# Allegro board FRDM-A-S32K356_PCBLayout.brd (continued)
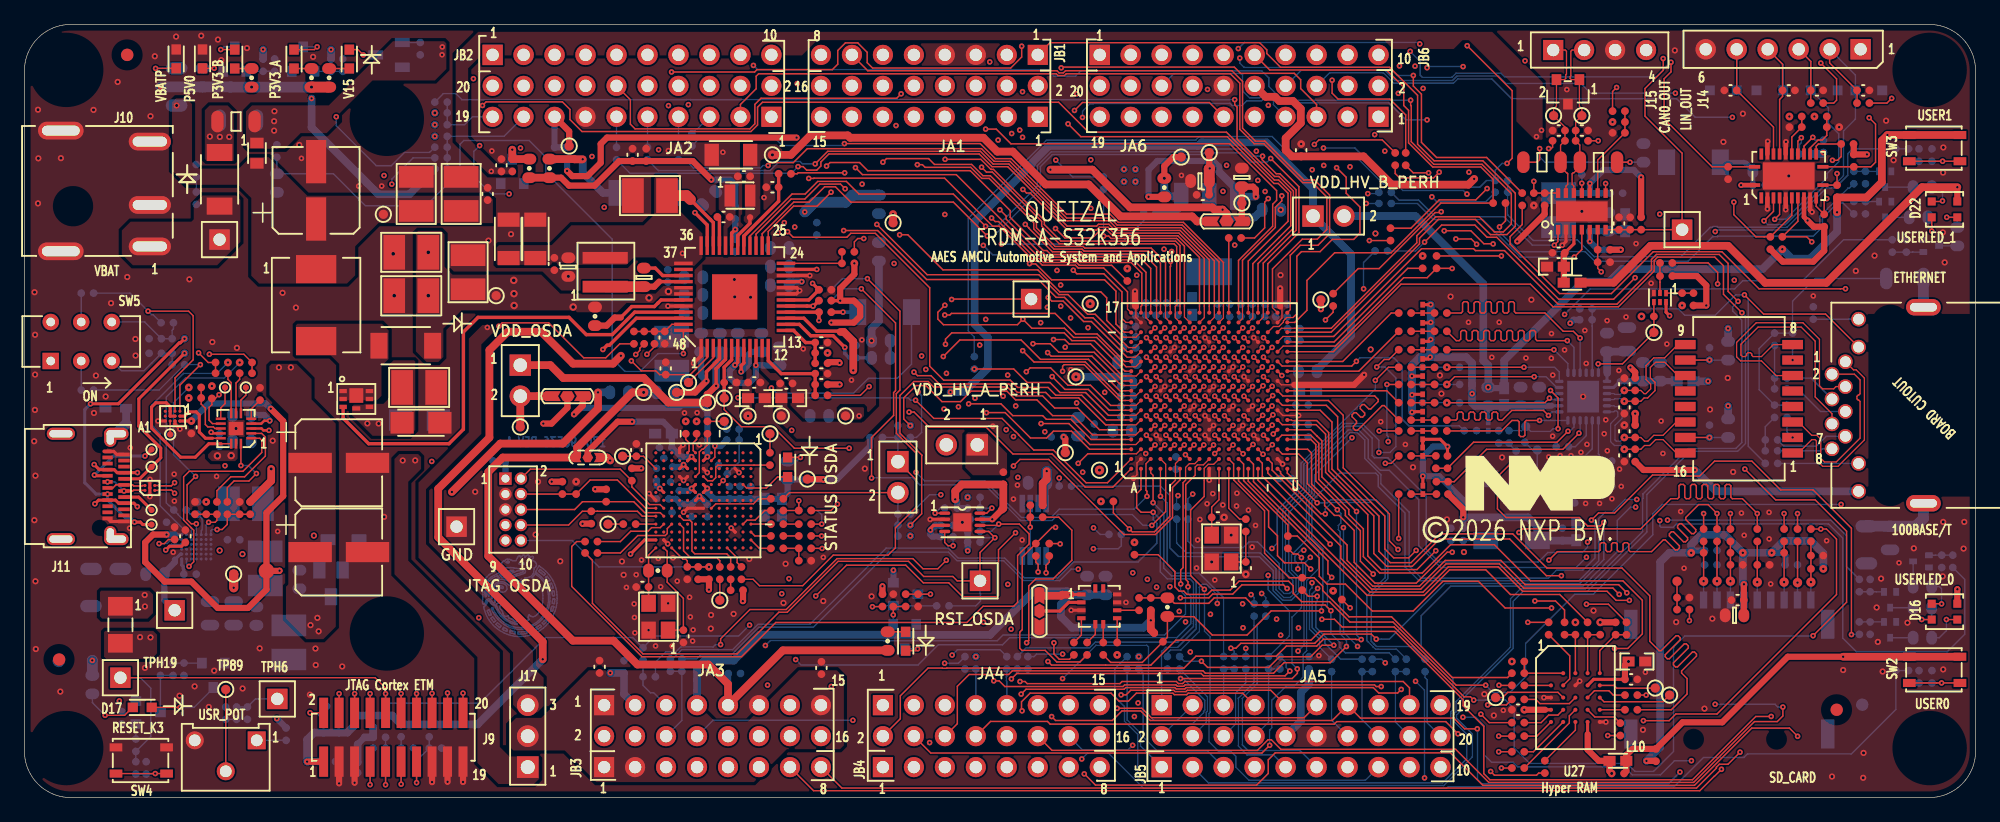
[diagram p0: board, top side]
## Routing (per net, layer and track width the routed paths; a pad name or vN(x,y) marks a point on that pad's centre or on a via; arc(x,y) is an arc through that point) (continued)
  L4_INT_2 w0.127: v1(104.47,13.93) 101.39,10.84 91.61,10.84 89.18,13.28 82.18,13.28 81.35,12.45 78.78,12.45 77.65,13.58 64.24,13.58 61.58,10.93 50.54,10.93 48.1,13.38 38.25,13.38 v1(33.43,8.55)
  BOTTOM w0.118: v1(104.91,20.29) 104.68,20.29 104.17,19.79 104.17,19.42 104.42,19.17 v1(104.42,18.76)
ETM_TRACE_D2: length 102
  TOP w0.118: J9.18 v1(34.7,8.58)
  TOP w0.127: U2.M8 v1(99.2,32.93)
  L3_INT_1 w0.102: 101.21,26.04 99.52,27.73 99.52,28.59 99.81,28.88 99.81,29.18 99.53,29.46 99.53,30.36 99.53,30.37 99.53,30.69 99.54,30.7 99.54,32.33 99.2,32.67 v1(99.2,32.93)
  L3_INT_1 w0.127: v1(105.44,19.71) 105.74,20 105.74,20.42 104.64,21.51 104.64,22.6 101.21,26.04
  L4_INT_2 w0.127: v1(34.7,8.58) 34.99,8.88 39.02,12.9 47.9,12.9 50.23,10.57 63.66,10.57 66.39,13.3 77.61,13.3 80.44,10.47 102.89,10.47 v1(104.43,12.02)
  BOTTOM w0.118: v1(105.44,19.71) 105.06,19.32 105.06,18.07 104.92,17.94 104.92,12.51 104.73,12.31 v1(104.43,12.02)
ETM_TRACE_D3: length 262.9
  TOP w0.118: J9.20 v1(35.97,8.57)
  TOP w0.127: U2.L9 v1(99.11,33.73)
  L3_INT_1 w0.102: 104.13,36.22 102.23,36.22 101.76,35.75 101.28,35.75 100.45,34.91 99.83,34.91 99.56,34.64 99.56,34.13 99.16,33.73 v1(99.11,33.73)
  L3_INT_1 w0.127: 104.13,36.22 106.87,36.22 113.97,43.32 113.97,56.07 114.26,56.37 114.26,57.15 115.23,58.12 115.23,59.2 115.02,59.42 v1(115.02,59.87) ; v1(114.81,1.62) 115.52,0.91 145.07,0.91 145.1,0.94 145.4,0.94 145.43,0.97 145.47,0.97 150.72,6.22 150.72,23.25 147.26,26.71 147.26,38.75 154.25,45.74 154.25,55.38 150.27,59.36 129.14,59.36 129.07,59.29 121.73,59.29 121.11,59.91 118.43,59.91 118.39,59.96 v1(117.97,59.96)
  L4_INT_2 w0.127: v1(35.97,8.57) 39.84,12.44 47.71,12.44 49.91,10.24 63.8,10.24 66.52,12.96 77.47,12.96 80.3,10.13 100.89,10.13 101.48,9.54 v1(114.07,9.54)
  BOTTOM w0.118: v1(115.02,59.87) 115.11,59.96 v1(117.97,59.96) ; v1(114.07,9.54) 114.81,8.8 v1(114.81,1.62)
EXTAL: length 5.7
  TOP w0.118: U2.K1 97.96,24.43 97.35,23.83 C66.1 Y1.3
FRS_EN: length 17.7
  TOP w0.118: v1(13.5,18.97) 13.89,19.35 13.89,21.93 13.68,22.14 13.68,22.14 13.06,22.76 13.06,26.31 13.52,26.77 17.92,26.77 19.46,28.31 19.46,29.31 19.3,29.48 U4.1
  BOTTOM w0.118: v1(13.5,18.97) 13.3,19.17 U3.B6
FS26_AMUX: length 27.1
  TOP w0.118: v1(67.26,51.25) 63.45,51.25 63.36,51.17 R21.1
  L4_INT_2 w0.127: v1(84.57,52.29) 84.54,52.26 77.58,52.26 75.98,50.67 69.54,50.67 69.31,50.91 67.6,50.91 v1(67.26,51.25)
  BOTTOM w0.118: R48.2 85.96,50.91 v1(84.57,52.29)
FS26_FCCU1: length 3.6
  TOP w0.279: R26.2 64.7,40.32 v1(64.67,40.32) 64.17,40.32 64.17,40.32 U1.17
  BOTTOM w0.254: R26.2 64.7,40.32 v1(64.67,40.32)
FS26_FCCU2: length 4.5
  TOP w0.254: v1(64.63,42.18) R29.2
  TOP w0.279: U1.18 64.32,40.82 R29.2
  BOTTOM w0.254: v1(64.63,42.18) R29.2
FS26_FS0B: length 4.5
  TOP w0.279: R27.2 R37.2 C27.1 64.06,37.33 63.07,38.32 U1.13
FS26_FS1B: length 7.1
  TOP w0.279: U1.12 60.99,35.84 62.06,34.78 C28.1 R28.2 R38.2
FS26_GPIO1: length 3.7
  TOP w0.118: U1.3 56.49,36.08 TP9.1
FS26_INTB: length 5.5
  TOP w0.118: R39.2 R23.2 U1.24
FS26_VBOS: length 3.1
  TOP w0.279: U1.35 55.99,46.97 v1(54.98,47.98)
FS26_VCORE: length 51.1
  TOP w0.279: U1.15 63.92,39.32 64.97,38.27 66.86,38.27 66.93,38.2 ; 59.49,47.58 59.49,47.1 58.49,46.1 U1.30
  TOP w0.508: 59.51,52.65 C25.1 ; 59.51,50.96 C26.1 ; 59.51,47.6 59.49,47.58
  TOP w0.635: v1(67.97,35.04) 67.97,37.42 67.18,38.2 66.93,38.2 ; SJ4.2 96.16,47.26 95.75,47.68 89.88,47.68 87.27,50.29 83.74,50.29 81.05,52.99 79.77,52.99 78.64,54.12 67.71,54.12 67.52,54.32 64.45,54.32 62.85,52.72 v3(61.34,52.72)
FS26_VDDIO: length 14
  TOP w0.279: R26.1 66.89,40.77 v1(66.89,40.76) ; U1.23 v1(64.97,43.32)
  TOP w0.508: R28.1 v1(66.85,33.89) ; v2(68.05,43.82) 68.05,42.93 66.89,41.77 v1(66.89,40.76) 68.02,40.76 68.53,40.25 68.53,39.47 68.02,38.97 v1(66.17,38.97) ; R27.1 65.95,35.71 66.79,35.71 v1(66.85,35.66)
FS26_VDEBUG: length 20.6
  TOP w0.508: v1(56.33,50.69) 54.8,52.21 R44.1 C40.1 48.78,52.21 46.76,50.2 44.66,50.2 44.01,50.85 R43.2
  TOP w0.635: R42.2 R43.2
  BOTTOM w0.508: R17.1 58.29,50.27 57.88,50.69 v1(56.33,50.69)
FS26_VLDO1: length 6.8
  BOTTOM w0.635: R530.2 70.07,39.09 69.47,38.49 v3(69.47,37.48)
FS26_VLDO2:
  vias: v2(59.34,31.31)
FS26_VMONEXT_0V8: length 8.5
  TOP w0.279: U1.14 63.54,38.82 64.48,37.89 66.31,37.89 v1(67.27,36.93)
  BOTTOM w0.279: v1(67.27,36.93) 67.27,36.43 67.64,36.07 R33.1 R32.2
FS26_VPRE: length 17.3
  TOP w0.279: v1(58.26,35.48) 58.49,35.71 U1.7 ; v1(59.98,35.46) 59.99,35.47 U1.10 ; 54.62,49.06 56.27,47.41 56.27,47.4 56.49,47.17 U1.34
  TOP w0.889: C22.1 54.29,49.38 54.62,49.06
  BOTTOM w0.508: C32.1 60.6,35.45 60.59,35.46 v1(59.98,35.46) 59.98,34.56 59.44,34.02 58.27,34.02 57.83,34.45 57.83,35.05 v1(58.26,35.48) 58.49,35.71 C29.1
  vias: v1(53.96,44.64)
FS26_VREF: length 4.8
  TOP w0.279: U1.8 58.99,35.65 58.77,35.43 v1(58.77,34.93)
  BOTTOM w0.508: C37.1 59.63,36.57 59.39,36.33 59.39,35.74 59.37,35.71 59.37,35.53 v1(58.77,34.93)
FS26_VTRK1: length 38.4
  TOP w0.203: U4.12 15.41,29.88 v1(15.31,29.97)
  TOP w0.279: v1(55.93,34.17) 55.93,34.93 56.76,35.76 56.76,35.77 56.99,36 U1.4
  TOP w0.508: v1(55.93,34.17) 55,33.24 TP120.1
  L3_INT_1 w0.508: v1(63.99,48.04) 64.64,47.38 64.64,44.58 62.96,42.9 62.96,41.33 63.09,41.2 63.09,36.07 63.62,35.55 63.62,30.82 v1(62.92,30.12)
  BOTTOM w0.508: C30.1 55.5,34.59 v1(55.93,34.17) 55,33.24 R528.2
  BOTTOM w0.889: v1(63.99,48.04) 64.78,48.83 67.33,48.83 67.91,49.42 R806.1
  vias: v1(16.45,27.22)
FS26_VTRK2: length 26.1
  TOP w0.203: U4.3 19.45,30.28 19.6,30.12 v1(20.06,30.12)
  TOP w0.279: U1.5 57.49,35.95 56.72,35.18 v1(56.72,33.78)
  TOP w0.508: 56.01,33.06 v1(56.72,33.78)
  TOP w0.635: 56.01,33.06 TP121.1 52.8,32.4 50.79,34.42 44.18,34.42 43.13,35.47 JP11.1
  BOTTOM w0.635: v1(56.72,33.78) 56.72,35.55 57.02,35.86 C31.1
  vias: v1(33.4,27.58) v2(13.48,32.78) v2(15.37,33.76)
FS26_WAKE1_IN: length 4.3
  TOP w0.118: R4.2 R6.2 R803.2 C186.1 53.09,38.82 U1.47
GMAC0_MII_RMII_RX_DV_RGMII_RXCTL: length 1.9
  TOP w0.118: R270.1 R184.2 R190.2
ILIM_5V_VBUS: length 2.3
  TOP w0.118: U4.6 17.75,32.61 18.16,33.01 TP22.1
JTAG_TCLK/SWD_CLK: length 100.8
  TOP w0.118: R105.2 65.37,21.46 v1(65.37,21.46) ; J9.4 v1(25.81,8.53)
  TOP w0.127: U2.F7 v1(95.11,32.13)
  L3_INT_1 w0.102: v1(95.11,32.13) 95.58,31.66 95.58,29.35 95.49,29.26 95.49,28.77 95.26,28.55 95.04,28.55 94.63,28.14 94.59,28.14 94.5,28.04 94.5,26.04
  L3_INT_1 w0.127: 94.5,26.04 94.5,25.49 94.08,25.07 94.08,23.27 93.02,22.21 93.02,17.45 v1(92.83,17.26)
  L4_INT_2 w0.127: v1(25.81,8.53) 25.42,8.91 25.42,16.41 26.64,17.62 45.45,17.62 49.3,21.46 v1(65.37,21.46) 70.87,21.46 72.22,20.11 75.45,20.11 76.43,19.14 78.08,19.14 78.41,18.81 81.62,18.81 82.61,17.81 89.97,17.81 90.53,17.25 92.82,17.25 v1(92.83,17.26)
  BOTTOM w0.118: v1(25.81,8.53) R360.1 25.81,6.88 25.78,6.85 R346.2
JTAG_TDI: length 113.6
  TOP w0.118: J9.8 v1(28.35,8.53) ; R108.2 66.14,23.55 v1(66.67,24.08)
  TOP w0.127: U2.F8 v1(94.4,32.93)
  L3_INT_1 w0.102: v1(94.4,32.93) 93.89,32.41 93.89,31.51 93.93,31.46 93.93,31.19 93.89,31.14 93.89,29.91 93.93,29.86 93.93,29.59 93.89,29.55 93.89,28.68 92.86,27.66 92.77,27.66 91.64,26.54 91.64,26.04
  L3_INT_1 w0.127: 91.64,26.04 91.64,25.98 91.26,25.59 91.26,21.44 91.58,21.11 91.58,19.14 v1(90.88,18.44)
  L4_INT_2 w0.127: v1(90.88,18.44) 89.91,19.41 89.91,19.42 89.79,19.55 78.81,19.55 77.1,21.26 73.95,21.26 73.41,21.8 73.41,22.62 72.82,23.22 70,23.22 69.14,24.08 v1(66.67,24.08) 65.9,23.31 55.08,23.31 54.27,24.12 50,24.12 44.45,18.57 24.82,18.57 22.09,15.84 22.09,7.53 23.7,5.92 25.74,5.92 v1(28.35,8.53)
  BOTTOM w0.118: v1(28.35,8.53) 28.35,7.77 R348.2
JTAG_TDO: length 101.2
  TOP w0.118: v1(65.41,20.44) 65.4,20.45 R109.2 ; J9.6 v1(27.08,8.53)
  TOP w0.127: U2.G8 v1(95.2,32.93)
  L3_INT_1 w0.102: 95.36,26.04 95.36,27.19 96.33,28.16 96.33,29.58 96.33,29.59 96.33,31.46 96.33,31.47 96.33,32.31 96.03,32.6 95.53,32.6 v1(95.2,32.93)
  L3_INT_1 w0.127: 95.36,26.04 95.39,26.01 95.39,26.01 95.39,26 95.39,23.61 93.92,22.14 93.92,19.47 93.87,19.42 93.87,17.77 93.93,17.72 v1(93.93,17.3)
  L4_INT_2 w0.127: v1(93.93,17.3) 93.47,16.85 90.13,16.85 89.59,17.39 84.97,17.39 83.97,16.39 77.32,16.39 73.98,19.73 71.43,19.73 70.72,20.44 v1(65.41,20.44) 65.26,20.29 51.67,20.29 50.9,21.06 49.54,21.06 45.73,17.25 28.44,17.25 26.17,14.98 26.17,11.62 27.08,10.71 v1(27.08,8.53)
  BOTTOM w0.118: v1(27.08,8.53) R347.2
JTAG_TMS/SWD_DIO: length 103.5
  TOP w0.118: J9.2 23.42,6.95 v1(23.42,6.96) ; v1(65.38,22.44) 65.38,22.43 R106.2
  TOP w0.127: U2.F6 v1(94.4,31.33)
  L3_INT_1 w0.102: v1(94.4,31.33) 94.4,31.05 94.78,30.67 94.78,29.14 94.69,29.05 94.69,28.77 94.47,28.55 94.35,28.55 94.02,28.21 94.02,26.04
  L3_INT_1 w0.127: v1(92.08,17.91) 92.08,22.45 92.31,22.68 92.31,22.68 93.61,23.98 93.61,25.48 94.02,25.89 94.02,26.04
  L4_INT_2 w0.127: v1(92.08,17.91) 90.67,17.91 89.44,19.14 78.66,19.14 78.35,19.45 76.61,19.45 75.51,20.54 72.61,20.54 70.71,22.44 v1(65.38,22.44) 64.96,22.44 64.67,22.73 49.35,22.73 44.67,18.05 25.57,18.05 22.63,15.11 22.63,7.75 v1(23.42,6.96)
  BOTTOM w0.118: v1(23.42,6.96) 23.93,6.96 R345.2 ; v1(65.38,22.44) 65.38,23.19 65.02,23.55 R107.2
LD_I2C_SCL: length 19.5
  BOTTOM w0.118: U3.B1 13.3,21.77 11.13,23.94 11.13,29.88 10.46,30.55 10.46,32.2 13.05,34.8 15.8,34.8 v2(16.69,35.69)
LD_I2C_SDA: length 19.3
  BOTTOM w0.118: v2(17.65,35.69) 16.38,34.42 13.19,34.42 11.63,32.86 11.63,24.18 11.87,23.95 11.89,23.95 R89.1 12.61,23.24 12.61,23.21 13.7,22.12 U3.C1
LD_NFLT: length 4.6
  TOP w0.118: U4.11 15.62,30.28 15.5,30.41 15.04,30.41 14.84,30.61 14.84,31.94 14.5,32.28 R87.2 R90.1
LD_NINT: length 14.2
  TOP w0.118: v1(14.04,26.35) 13.34,25.65 13.34,22.8 13.68,22.46 v1(14.1,22.46)
  BOTTOM w0.118: v1(14.04,26.35) 12.23,28.16 12.23,32.39 v2(13.48,33.64) ; U3.D1 v1(14.1,22.46)
LED_BLUE_0: length 1.9
  BOTTOM w0.118: R322.2 Q8.3
LED_BLUE_1: length 1.5
  BOTTOM w0.118: R786.2 Q14.3
LED_GREEN_0: length 1.9
  BOTTOM w0.118: R321.2 Q9.3
LED_GREEN_1: length 2
  BOTTOM w0.118: Q15.3 153.01,47.6 153.01,47.6 R785.2
LED_RED_0: length 2.1
  BOTTOM w0.118: R320.2 Q10.3
LED_RED_1: length 2.3
  BOTTOM w0.118: R784.2 Q16.3
LIN1_OUT: length 179.4
  TOP w0.118: R155.2 152.72,56.97 v1(153.11,57.36) ; v1(81.77,61.63) 81.77,60.75 80.87,59.84 69.55,59.84 69.11,60.28 69.11,61.13 68.33,61.91 67.32,61.91 66.69,61.28 66.69,60.16 66.25,59.71 60.07,59.71 59.88,59.52 v1(53.07,59.52)
  L3_INT_1 w0.127: v1(99.54,61.44) 99.52,61.46 99.52,61.61 99.36,61.77 99.36,61.78 98.98,62.15 82.33,62.15 81.81,61.63 v1(81.77,61.63) ; v1(53.07,59.52) 52.36,58.81 52.36,55.26 54.22,53.39 54.22,52.14 58.47,47.9 62.79,47.9 63.72,46.96 63.72,46.29 62.08,44.65 62.08,40.97 62.22,40.84 62.22,35.71 62.23,35.7 62.23,32.12 61.07,30.96 61.07,16.55 61.07,16.55 61.07,14.34 55.58,8.84 54.33,8.84 53.74,8.25 53.74,3.89 52.62,2.77 JB3.3 ; v1(153.11,57.36) 153.11,58.08 151.5,59.69 124.62,59.69 123.44,60.87 115.37,60.87 v1(114.41,61.82)
  BOTTOM w0.118: v1(114.41,61.82) 114.29,61.95 100.05,61.95 v1(99.54,61.44)
LIN1_RX: length 65.6
  TOP w0.118: U11.7 144.92,47.76 R156.2 142.66,46 141.98,46 140.17,47.81 v1(140.17,48.85)
  L5_PWR_1 w0.127: v2(90.16,51.54) 90.23,51.54 90.73,51.03 92.25,51.03 92.89,50.39 92.9,50.39 93.08,50.21 111.9,50.21 113.41,51.72 120.57,51.72 125.42,56.57 133.3,56.57 135.75,54.12 135.75,54.12 140.17,49.69 v1(140.17,48.85)
LIN1_SLP: length 3.4
  TOP w0.118: R160.2 R167.1 144.92,54.18 U11.18
LIN1_TX: length 65.9
  TOP w0.118: v1(147.79,49.13) 147.58,48.92 R157.2 146.92,48.5 U11.11
  L5_PWR_1 w0.127: v1(147.79,49.13) 147.79,49.72 145.92,51.59 143.9,51.59 141.06,54.43 136.31,54.43 133.82,56.93 125.18,56.93 120.26,52.01 112.76,52.01 111.81,51.06 96.44,51.06 95.96,51.54 v2(91.1,51.54)
LIN2_OUT: length 235.9
  TOP w0.118: R166.2 148.36,56.97 148.59,57.2 148.59,58.96 v1(147.3,60.25)
  L3_INT_1 w0.127: v1(147.3,60.25) 146.97,59.92 124.8,59.92 123.53,61.18 118.18,61.18 116.63,62.74 102.66,62.74 102.03,62.1 100.23,62.1 99.51,62.83 66.4,62.83 65.53,61.95 30.8,61.95 24.06,55.22 24.06,51.6 11.44,38.97 11.44,28.9 9.64,27.1 9.64,24.18 10.39,23.43 10.73,23.43 16.58,17.58 16.58,4.6 18.97,2.2 38.38,2.2 39.45,1.13 56.42,1.13 57.7,2.4 JB3.5
LIN2_RX: length 137.7
  TOP w0.118: v1(145.4,5.03) 144.73,5.7 141.64,5.7 136.94,1.01 119.59,1.01 116.93,3.67 102.57,3.67 101.99,3.1 101.99,1.98 101.04,1.03 87.83,1.03 v1(86.91,1.95) ; U11.8 145.42,47.27 R158.2 146.15,46 v1(146.56,45.59)
  L3_INT_1 w0.127: v1(86.91,1.95) 86.91,2.37 87.19,2.65 87.19,11.46 88.71,12.98 88.71,17.1 88.11,17.7 88.11,17.71 88.07,17.74 88.07,23.67 88.28,23.88 v2(88.28,24.3) ; v1(145.4,5.03) 145.4,5.03 145.4,12.57 149.69,16.87 149.69,21.96 146.13,25.52 146.13,27.27 146.1,27.3 146.1,41.63 146.56,42.08 v1(146.56,45.59)
LIN2_SLP: length 3.8
  TOP w0.118: R161.2 R168.1 147.79,54.31 147.42,53.94 147.08,53.94 146.42,53.28 U11.15
LIN2_TX: length 105.5
  TOP w0.118: U11.12 R159.2 148.63,51.19 v1(148.63,51.19) ; v1(119.82,9.22) 119.81,9.22 117.4,9.22 112.23,14.4 108.69,14.4 107.01,16.08 104.73,16.08 104.04,16.77 104.04,17.37 103.66,17.75 99.6,17.75 98.87,17.02 97.37,17.02 97.01,16.67 95.34,16.67 95.07,16.94 94.68,16.94 94.34,17.28 94.34,18.55 92.96,19.92 R58.2
  L3_INT_1 w0.127: v1(148.63,51.19) 148.63,51.05 149.88,49.8 149.88,47.01 148.82,45.95 148.82,41.17 146.89,39.25 146.89,26.13 v1(148.97,24.05)
  BOTTOM w0.118: v1(148.97,24.05) 134.3,24.05 133.53,23.28 133.53,21.56 128.65,16.68 127.13,16.68 123.1,12.65 123.1,9.91 121.81,8.63 120.41,8.63 v1(119.82,9.22)
LIN3_RX: length 53.1
  TOP w0.118: v1(149.33,41.74) 148.91,41.74 148.9,41.73 142.23,41.73 139.19,44.77 133.56,44.77 130.13,41.34 125.88,41.34 121.83,45.4 121.83,46.01 122.82,47 R800.2 ; U11.16 145.92,53.44 v1(146.64,54.16)
  L3_INT_1 w0.127: v1(146.64,54.16) 146.97,53.83 147.71,53.83 150.54,51.01 150.54,47.05 149.33,45.84 v1(149.33,41.74)
  BOTTOM w0.118: v1(146.64,54.16) 146.64,54.11 146.83,53.92 R162.2
LIN3_TX: length 129.6
  TOP w0.118: U11.13 R163.2 151.41,51.74 151.79,52.12 151.79,55.24 v1(151.27,55.76) ; v1(79.31,47.54) 79.6,47.25 79.88,47.25 82.92,44.21 83.24,44.21 83.56,43.89 86.27,43.89 86.5,43.66 89.16,43.66 R799.2
  L3_INT_1 w0.127: v1(118.45,51.3) 116.69,51.3 114.42,53.56 114.42,55.89 114.72,56.18 114.72,56.96 117.26,59.49 120.98,59.49 121.51,58.96 129.07,58.96 129.23,59.13 137.35,59.13 138.98,57.5 149.17,57.5 150.91,55.76 v1(151.27,55.76) ; v1(79.16,60.35) 79.28,60.23 79.28,55.4 80.27,54.41 80.27,49.16 79.31,48.2 v1(79.31,47.54)
  L4_INT_2 w0.127: v1(118.45,51.3) 117.9,51.84 114.59,51.84 112.85,53.58 112.85,56.64 112.24,57.25 112.24,57.86 112.26,57.88 112.26,58.89 112.24,58.9 112.24,59.16 111.52,59.87 97.49,59.87 97.18,59.57 95.61,59.57 95.44,59.74 86.03,59.74 85.61,59.32 80.08,59.32 79.16,60.25 v1(79.16,60.35)
LIN4_RX: length 45.3
  TOP w0.118: R802.2 113.69,46.71 116.01,49.03 119.01,49.03 v1(119.94,49.96) ; v1(145.7,54.13) 145.42,53.85 U11.17
  L3_INT_1 w0.127: v1(145.7,54.13) 144.8,55.04 143.04,55.04 141.36,56.72 139.09,56.72 137.13,58.67 129.42,58.67 128.28,57.53 125.7,57.53 124.29,56.13 124.29,56.09 123.05,54.84 123.05,51.57 121.44,49.96 v1(119.94,49.96)
  BOTTOM w0.118: v1(145.7,54.13) 145.7,53.72 145.55,53.56 R164.2
LIN4_TX: length 50.7
  TOP w0.118: v1(148.26,52.28) 148.67,52.28 148.97,52.57 R165.2 147.1,53.61 146.92,53.44 U11.14 ; R801.2 109.37,43.39 111.08,43.39 115.68,47.99 116.11,47.99 v1(116.18,48.06)
  L4_INT_2 w0.127: v1(116.18,48.06) 121.67,48.06 122.81,49.2 137.89,49.2 139.88,51.18 141.35,51.18 142.05,50.48 146.46,50.48 v1(148.26,52.28)
LIN_1_OUT: length 27.5
  TOP w0.118: J14.2 148.03,60.26 C104.1 R155.1 ; v1(142.64,47.31) 143.42,48.09 U11.4
  BOTTOM w0.118: J14.2 150.14,59.27 D14.1 150.14,55.65 149.17,54.68 149.17,51.02 148.42,50.27 147.66,50.27 144.39,47 142.96,47 v1(142.64,47.31)
LIN_2_OUT: length 24.7
  TOP w0.118: v1(143.52,47.43) 143.92,47.84 U11.5 ; R166.1 C105.1 146.48,60.39 J14.3
  BOTTOM w0.118: J14.3 146.48,60.39 D15.1 147.93,56.57 147.93,55.3 148.77,54.45 148.77,52.14 147.82,51.2 147.82,50.85 144.41,47.43 v1(143.52,47.43)
LIN_3_OUT: length 13.1
  TOP w0.118: U11.20 143.92,57.27 144.16,57.51 C178.1 144.16,60.16 J14.4
  BOTTOM w0.118: D23.1 144.22,60.1 J14.4
LIN_4_OUT: length 13.2
  TOP w0.118: J14.5 C179.1 143.42,55 U11.21
  BOTTOM w0.118: C179.1 J14.5
LIN_INH: length 131.1
  TOP w0.118: v1(51.04,36.36) 51.66,36.99 R803.1 ; v1(135.02,60.32) 135.02,59.53 134.45,58.96 134.45,55.68 138.39,51.74 R804.1 U11.24
  L3_INT_1 w0.127: v1(94.07,44.8) 94.07,44.83 94.33,45.1 94.33,47.64 97.36,50.66 98.93,50.66 100.37,52.11 100.37,53.29 100.75,53.67 100.77,53.67 102.18,55.08 102.18,56.61 v1(102,56.78) ; v1(113.63,61.21) 113.44,61.02 112.54,61.02 112.12,60.61 112.12,54.78 111.72,54.38 v1(110.72,54.38) ; v1(51.04,36.36) 51.04,36.34 52.17,35.2 56.8,35.2 58.42,36.82 60.42,36.82 61.21,37.61 61.21,46.48 61.89,47.16 v1(62.31,47.16)
  L4_INT_2 w0.127: v1(102,56.78) 106.59,56.78 107.35,56.02 107.35,55.23 108.21,54.38 110.71,54.38 v1(110.72,54.38) ; v1(62.31,47.16) 62.37,47.22 63.34,47.22 63.4,47.16 68.68,47.16 70.23,48.71 78.83,48.71 79.2,49.08 90.46,49.08 94.07,45.48 v1(94.07,44.8)
  BOTTOM w0.118: v1(113.63,61.21) 114.44,60.4 114.44,59.27 114.63,59.08 117.05,59.08 117.38,59.42 121.07,59.42 121.38,59.12 133.81,59.12 v1(135.02,60.32)
OPENSDA_UART_RX: length 13.2
  TOP w0.118: R113.2 62.74,25.02 J12.2
  BOTTOM w0.118: J12.2 R120.1 R118.1 R117.2
OPENSDA_UART_TX: length 26.8
  TOP w0.118: R114.2 59.75,17.91 60.27,17.38 63.82,17.38 66.33,19.89 70.82,19.89 71.42,20.49 71.42,22.12 73.14,23.85 73.14,26.05 J12.1
  BOTTOM w0.118: R116.1 R119.1 ; R119.1 R115.2 ; R119.1 J12.1
P_OSDA: length 19.3
  TOP w0.118: v1(56.62,28.84) 56.62,28.83 56.62,27.92 U8.F2
  TOP w0.254: U8.J2 54.38,27.63 v1(54.7,27.96) U8.H2
  TOP w0.508: SJ2.2 46.19,28.38 48.65,30.83 v1(49.83,30.83)
  L5_PWR_1 w0.508: v1(56.62,28.84) 56.88,28.58 56.88,27.66 56.51,27.29 55.37,27.29 54.7,27.95 v1(54.7,27.96)
  BOTTOM w0.508: v1(56.62,28.84) 57.09,28.84 R136.1 ; v1(49.83,30.83) 52.37,30.83 53.09,30.11 C95.1 53.09,29.85 C96.1 53.84,27.96 v1(54.7,27.96)
PHY_50MHZ: length 5.7
  BOTTOM w0.118: R261.1 123.67,28.51 TP65.1 Y4.3 R249.2
POT: length 11.9
  TOP w0.118: R370.2 TP89.1
  BOTTOM w0.118: R370.2 C149.1 R369.1
POWER_EN: length 1.4
  TOP w0.118: R148.2 TP118.1
PTA0: length 37.8
  TOP w0.102: U2.A13 90.41,36.58 90.3,36.68
  TOP w0.118: 90.3,36.68 87.63,39.36 86.96,39.36 85.28,41.03 84.6,41.03 83.14,42.49 73.99,42.49 69.97,46.51 v1(67.18,46.51)
  L3_INT_1 w0.127: JA1.15 66.54,54.62 66.54,50.52 66.55,50.51 66.55,50.23 66.54,50.22 66.54,47.15 v1(67.18,46.51)
PTA1: length 35.7
  TOP w0.102: U2.B14 91.09,36.92 90.54,36.92 90.3,37.15
  TOP w0.118: 90.3,37.15 87.81,39.65 87.18,39.65 85.57,41.26 84.82,41.26 83.19,42.89 74.02,42.89 v1(69.9,47.02)
  L3_INT_1 w0.127: JA1.13 67.86,54.85 69.53,53.17 69.53,47.39 v1(69.9,47.02)
PTA2: length 31.7
  TOP w0.102: U2.D17 93.16,40.29
  TOP w0.118: v1(73.22,51.92) 73.64,51.92 73.85,51.7 77.6,51.7 78.5,50.79 79.11,50.79 82.76,47.14 82.76,46.65 84.42,44.99 86.73,44.99 86.89,44.83 92.18,44.83 93.16,43.85 93.16,40.29
  L3_INT_1 w0.127: v1(73.22,51.92) 72.94,52.2 JA1.9
PTA3: length 35.9
  TOP w0.102: U2.E16 93.57,39.36 93.57,40.29
  TOP w0.118: v1(70.4,52.12) 70.69,52.41 74.15,52.41 74.62,51.94 77.67,51.94 78.6,51.01 79.2,51.01 82.98,47.23 82.98,46.74 84.51,45.21 86.82,45.21 86.95,45.08 92.39,45.08 93.57,43.9 93.57,40.29
  L3_INT_1 w0.127: JA1.11 70.4,52.8 70.4,52.8 v1(70.4,52.12)
PTA6: length 18.9
  TOP w0.127: U2.M15 v1(99.91,38.53)
  L3_INT_1 w0.102: 99.91,40.29 v1(99.91,38.53)
  L3_INT_1 w0.127: v1(110.03,48.74) 110.03,47.13 108.76,45.85 103.73,45.85 99.91,42.03 99.91,40.29
  BOTTOM w0.118: v1(110.03,48.74) R54.2
PTA7: length 19.9
  TOP w0.102: U2.M16 99.88,39.3 99.88,40.29
  TOP w0.118: v1(103.1,49.36) 103.1,48.95 102.57,48.42 102.57,46.77 99.88,44.08 99.88,40.29
  L4_INT_2 w0.127: v1(103.1,49.36) 109.54,49.36 109.72,49.54 v1(110.15,49.54)
  BOTTOM w0.118: R52.2 110.96,49.54 v1(110.15,49.54)
PTA8: length 72.3
  TOP w0.102: U2.A2 90.3,27.33
  TOP w0.118: 90.3,27.33 88.8,25.83 87.06,25.83 84.37,28.51 82.76,28.51 81.52,29.76 81.52,29.78 81.27,30.03 81.25,30.03 80.17,31.1 74.57,31.1 v1(73.08,32.6) ; R6.1 50.46,36.86 50.46,36.68 v1(50.13,36.35)
  L3_INT_1 w0.127: v2(78.02,11.57) 78.02,15.85 74.7,19.16 74.7,22.5 75.19,22.98 75.19,23.51 74.13,24.57 74.13,32.01 73.54,32.6 v1(73.08,32.6)
  L4_INT_2 w0.127: v1(58.51,32.8) 58.51,33.53 54.68,37.37 50.61,37.37 50.13,36.88 v1(50.13,36.35)
  BOTTOM w0.118: v1(58.51,32.8) 58.66,32.8 58.68,32.79 72.47,32.79 72.66,32.6 v1(73.08,32.6)
PTA9: length 62.3
  TOP w0.102: 90.3,28.2 91.18,28.2 U2.B3
  TOP w0.118: 90.3,28.2 87.19,28.2 v1(86.41,27.42)
  L3_INT_1 w0.127: v1(86.41,27.42) 86.41,27 86.25,26.84 86.25,19.32 86.41,19.16 v1(86.41,18.74) 86.41,13.05 v1(85.13,11.77)
  BOTTOM w0.118: v1(86.41,18.74) 85.83,18.74 84.89,17.8 81.92,17.8 80.29,19.43 76.48,19.43 75.77,20.14 70.86,20.14 64.7,13.98 60.23,13.98 57.97,11.71 55.47,11.71 55.13,11.38 R430.1 ; R413.1 82.78,11.57 82.99,11.77 v1(85.13,11.77)
PTA11: length 15.4
  TOP w0.102: U2.B7 91.14,31.36 90.3,31.36
  TOP w0.118: 90.3,31.36 88.89,31.36 87.02,33.22 84.92,33.22 84.1,34.05 82.23,34.05 81.12,35.16 v2(77.89,35.16)
PTA12: length 40.6
  TOP w0.102: U2.A7 90.3,31.78
  TOP w0.118: 90.3,31.78 88.95,31.78 87.24,33.48 85.33,33.48 v1(84.27,34.53)
  L3_INT_1 w0.127: JA4.16 89.18,6.05 89.18,12.74 89.48,13.04 89.48,17.35 88.53,18.29 88.53,22.49 89.15,23.11 89.15,27.36 85.46,31.05 85.46,33.77 84.69,34.53 v1(84.27,34.53)
PTA13: length 50.1
  TOP w0.102: 90.3,33.38 U2.A9
  TOP w0.118: v1(75.35,36.18) 76.71,37.54 81.73,37.54 83.32,35.95 87.25,35.95 89.82,33.38 90.3,33.38
  L3_INT_1 w0.127: JA4.5 75.48,9.25 77.05,10.83 77.05,16.24 73.9,19.39 73.9,22.6 73.85,22.65 73.85,23 73.9,23.05 73.9,31.55 73.28,32.18 72.9,32.18 72.66,32.42 72.66,33.25 75.05,35.65 75.05,35.88 v1(75.35,36.18)
PTA14: length 40.9
  TOP w0.102: U2.A10 90.3,34.18
  TOP w0.118: 90.3,34.18 90.07,34.18 87.71,36.53 84.82,36.53 84.12,37.23 v1(82.7,37.23)
  L3_INT_1 w0.127: JA4.11 83.1,8.97 83.14,9.02 83.14,17.64 82.14,18.65 82.14,19.78 82.58,20.23 82.58,21.44 82.06,21.97 82.06,22.96 82.77,23.67 82.77,29.7 82.62,29.86 82.62,33.33 82.25,33.7 82.25,33.7 81.74,34.22 81.74,35.95 82.4,36.62 82.4,36.93 v1(82.7,37.23)
PTA15: length 27.1
  TOP w0.102: 90.3,34.98 U2.A11
  TOP w0.118: v1(75.53,37.19) 75.53,37.61 76.04,38.12 85.27,38.12 85.9,37.48 87.73,37.48 90.24,34.98 90.3,34.98
  L3_INT_1 w0.127: v1(73.28,33.28) 73.92,33.28 74.46,33.81 74.46,34.64 75.77,35.95 75.77,36.53 75.53,36.77 v1(75.53,37.19)
  BOTTOM w0.118: 72.64,29.54 73.15,29.54 73.57,29.96 73.57,32.98 v1(73.28,33.28)
PTA16: length 36.2
  TOP w0.102: 90.3,35.78 U2.A12
  TOP w0.118: v1(75.47,39.59) 75.89,39.59 76.02,39.72 84.51,39.72 86.2,38.03 87.96,38.03 90.21,35.78 90.3,35.78
  L3_INT_1 w0.127: v1(75.47,39.59) 76.37,38.68 76.37,32.6 76.17,32.4 76.17,31.45 74.6,29.87 74.6,25.39 v1(75.15,24.85)
  BOTTOM w0.118: v1(75.15,24.85) 74.23,24.85 72.64,23.26
PTA17: length 6.1
  TOP w0.102: 98.75,40.29 U2.L17
  TOP w0.118: R51.2 98.75,40.29
PTA18: length 80.7
  TOP w0.102: U2.B1 91.56,26.04
  TOP w0.118: v1(92.56,23.41) 91.56,23.41 91.2,23.77 91.2,24.92 91.56,25.28 91.56,26.04
  BOTTOM w0.118: R432.1 53.15,11.38 53.91,12.14 56.91,12.14 56.92,12.14 58.08,12.14 60.16,14.22 64.41,14.22 70.66,20.47 75.75,20.47 76.57,19.65 80.38,19.65 82.01,18.02 84.72,18.02 86.03,19.33 91.32,19.33 92.86,20.87 92.86,22.5 92.56,22.81 v1(92.56,23.41) 93.14,22.83 93.14,18.52 93.72,17.94 95.58,17.94 95.86,17.65 95.86,14.46 95.86,14.04 94.58,12.76 87.81,12.76 87.34,12.28 82.14,12.28 R414.1
PTA19: length 23.6
  TOP w0.102: 92.55,26.04 92.55,26.44 92.35,26.63 U2.C1
  TOP w0.118: v1(92.55,24.19) 92.55,26.04
  BOTTOM w0.118: JA5.1 93.26,10.34 93.25,10.35 93.25,11.98 93.59,12.33 94.57,12.33 96.08,13.85 96.08,14.19 96.08,17.74 95.63,18.19 94.05,18.19 93.43,18.82 93.43,23.32 v1(92.55,24.19)
PTA20: length 45.5
  TOP w0.127: U2.E4 v1(93.6,29.73)
  L3_INT_1 w0.127: v1(85.13,9.76) 85.13,11.17 86.78,12.82 86.78,16.48 86.83,16.53 86.83,19.34 86.69,19.48 86.69,26.18 86.78,26.27 v1(86.78,26.69)
  L4_INT_2 w0.102: 90.3,27.06 90.3,28.1 91.14,28.93 92.18,28.93 92.51,29.26 92.97,29.26 93.44,29.73 v1(93.6,29.73)
  L4_INT_2 w0.127: 90.3,27.06 89.36,26.11 87.36,26.11 v1(86.78,26.69)
  BOTTOM w0.118: v1(85.13,9.76) 87.86,12.49 92.05,12.49 92.17,12.38 92.17,6.79 92.63,6.33 94.55,6.33 JA5.3
PTA21: length 18.7
  TOP w0.102: U2.D1 93.16,26.04
  TOP w0.118: v1(93.16,24.72) 93.16,25.15 93.16,25.15 93.16,26.04
  BOTTOM w0.118: R415.2 98.34,16.4 96.32,18.42 94.41,18.42 93.71,19.12 93.71,24.16 v1(93.16,24.72)
PTA22: length 40.4
  TOP w0.127: U2.C3 v1(92.71,28.93)
  L3_INT_1 w0.102: v1(92.71,28.93) 90.66,28.93 90.3,29.29
  L3_INT_1 w0.127: 90.3,29.29 88.16,31.43 88.16,33.86 88.98,34.68 88.98,40.55 89.91,41.48 89.91,47.31 89.02,48.2 89.02,52.97 90.67,54.62 91.22,54.62 91.94,55.34 91.94,58.62 91.11,59.44 89.24,59.44 JA6.20
PTA23: length 38.4
  TOP w0.127: U2.D3 v1(93.51,28.93)
  L3_INT_1 w0.102: v1(93.51,28.93) 93.51,28.59 92.78,27.86 92.13,27.86 92.1,27.84 91.79,27.84 91.77,27.86 91.29,27.86 90.3,28.84
  L3_INT_1 w0.127: JA6.18 91.71,57.39 91.71,55.43 91.13,54.85 90.45,54.85 88.7,53.11 88.7,48.07 89.64,47.12 89.64,41.67 88.71,40.74 88.71,34.97 87.94,34.19 87.94,31.21 90.3,28.84
